# KiCad board AMC_FMC_Carrier-PcbDoc.kicad_pcb (continued)
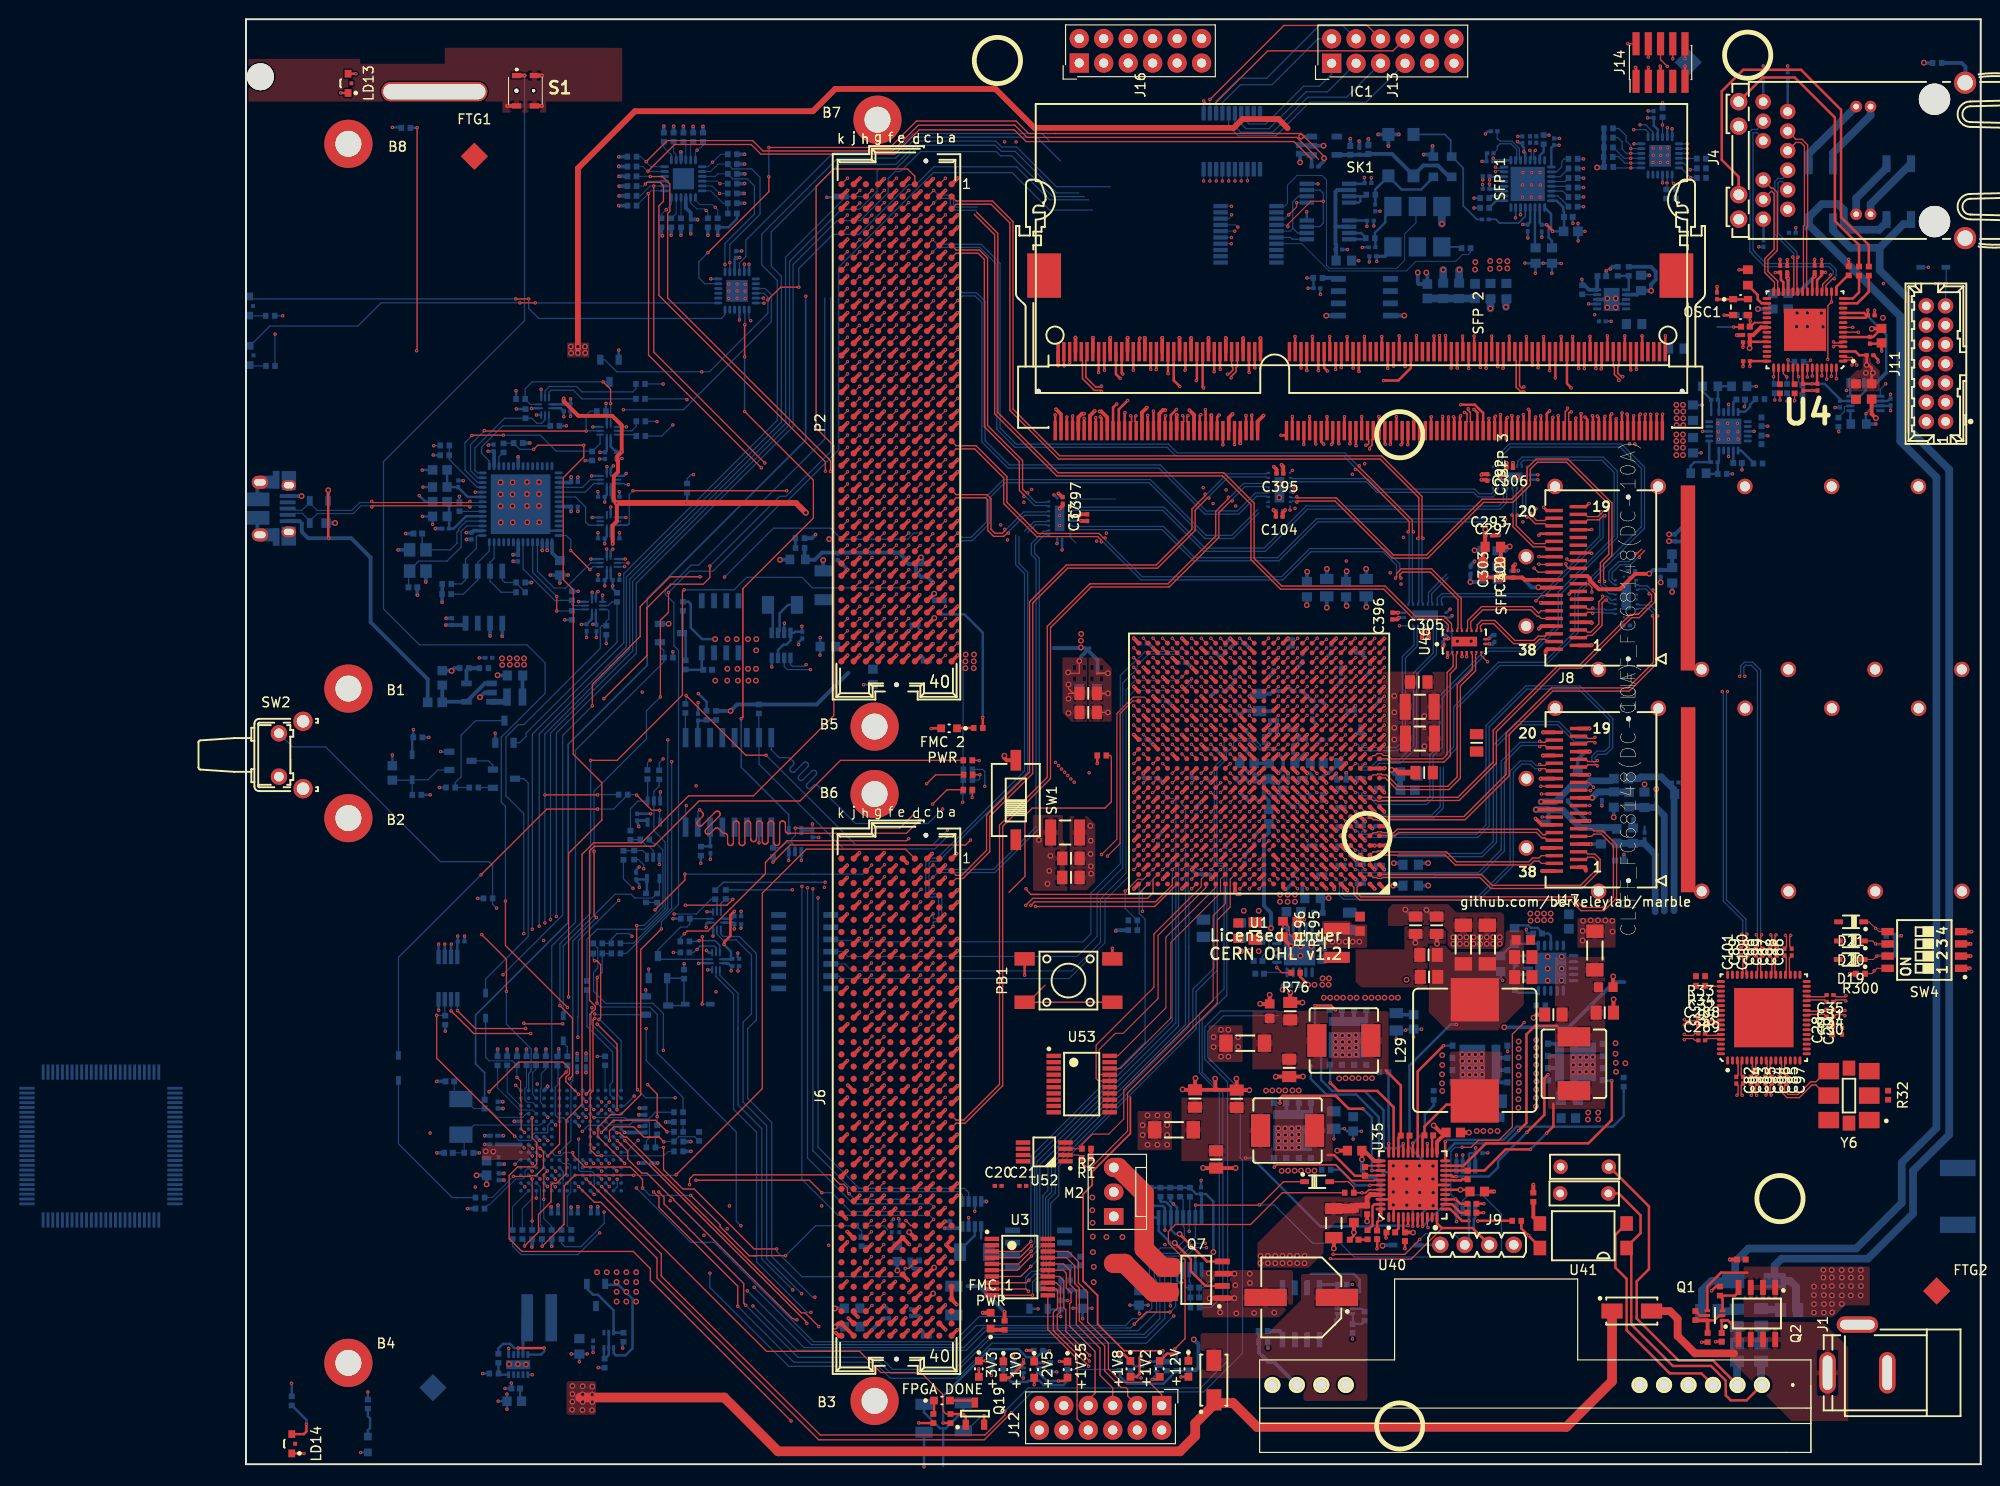
[diagram p0: board, top side]
## Routing (per net, layer and track width the routed paths; a pad name or vN(x,y) marks a point on that pad's centre or on a via; arc(x,y) is an arc through that point) (continued)
  Top w0.381: U1.M7 v1(112.12,70.73) ; U1.K3 v1(116.12,68.73) ; U1.K4 v1(115.12,68.73) ; U1.M4 v1(115.12,70.73) ; U1.L5 v1(114.12,69.73) ; U1.M9 v1(110.12,70.73) ; U1.P13 v1(106.12,73.73) ; U1.L16 v1(102.12,69.73) ; U1.L12 v1(107.12,69.73) ; U1.V15 v1(103.12,77.73) ; U1.M15 v1(103.12,70.73) ; U1.AE14 v1(104.12,84.73) ; U1.AE24 v1(94.12,84.73) ; U1.U12 v1(107.12,76.73) ; U1.R24 v1(94.12,74.73) ; U1.AD17 v1(101.12,83.73) ; U1.AA16 v1(102.12,80.73) ; U1.T15 v1(103.12,75.73) ; U1.AB23 v1(95.12,81.73) ; U1.AA26 v1(92.12,80.73) ; U1.U18 v1(100.12,76.73) ; U1.P15 v1(103.12,73.73) ; U1.P17 v1(101.12,73.73) ; U1.U14 v1(104.12,76.73) ; U1.L10 v1(109.12,69.73) ; U1.K11 v1(108.12,68.73) ; U1.L14 v1(104.12,69.73) ; U1.AC20 v1(98.12,82.73) ; U1.Y19 v1(99.12,79.73) ; U1.T13 v1(106.12,75.73) ; U1.R14 v1(104.12,74.73) ; U1.N14 v1(104.12,71.73) ; U1.K7 v1(112.12,68.73) ; U1.K9 v1(110.12,68.73) ; U1.K13 v1(105.12,68.73) ; U1.J12 v1(107.12,67.73) ; U1.T1 v1(118.12,75.73) ; U1.J2 v1(117.12,67.73) ; U1.U10 v1(109.12,76.73) ; U1.B4 v1(115.12,60.73) ; U1.G8 v1(111.12,65.73) ; U1.E7 v1(112.12,63.73) ; U1.Y9 v1(110.12,79.73) ; U1.F4 v1(115.12,64.73) ; U1.W12 v1(107.12,78.73) ; U1.A7 v1(112.12,59.73) ; U1.D4 v1(115.12,62.73) ; U1.D7 v1(112.12,62.73) ; U1.B7 v1(112.12,60.73) ; U1.C7 v1(112.12,61.73) ; U1.C5 v1(114.12,61.73) ; U1.C1 v1(118.12,61.73) ; U1.U8 v1(111.12,76.73) ; U1.J1 v1(118.12,67.73) ; U1.AC10 v1(109.12,82.73) ; U1.G5 v1(114.12,65.73) ; U1.R10 v1(109.12,74.73) ; U1.W2 v1(117.12,78.73) ; U1.N7 v1(112.12,71.73) ; U1.AD7 v1(112.12,83.73) ; U1.AF11 v1(108.12,85.73) ; U1.E5 v1(114.12,63.73) ; U1.F7 v1(112.12,64.73) ; U1.F3 v1(116.12,64.73) ; U1.H7 v1(112.12,66.73) ; U1.T4 v1(115.12,75.73) ; U1.R2 v1(117.12,74.73) ; U1.V5 v1(114.12,77.73) ; U1.P9 v1(110.12,73.73) ; U1.AF1 v1(118.12,85.73) ; U1.R8 v1(111.12,74.73) ; U1.R5 v1(114.12,74.73) ; U1.AA6 v1(113.12,80.73) ; U1.F11 v1(108.12,64.73) ; U1.H4 v1(115.12,66.73) ; U1.AB13 v1(106.12,81.73) ; U1.J5 v1(114.12,67.73) ; U1.AB3 v1(116.12,81.73) ; U1.T9 v1(110.12,75.73) ; U1.T11 v1(108.12,75.73) ; U1.N10 v1(109.12,71.73) ; U1.L1 v1(118.12,69.73) ; U1.P3 v1(116.12,73.73) ; U1.P4 v1(115.12,73.73) ; U1.R1 v1(118.12,74.73) ; U1.T3 v1(116.12,75.73) ; U1.C10 v1(109.12,61.73) ; U1.E8 v1(111.12,63.73) ; U1.A1 v1(118.12,59.73) ; U1.A2 v1(117.12,59.73) ; U1.K19 v1(99.12,68.73) ; U1.E24 v1(94.12,63.73) ; U1.E14 v1(104.12,63.73) ; U1.J22 v1(96.12,67.73) ; U1.A26 v1(92.12,59.73) ; U1.B13 v1(105.12,60.73) ; U1.M23 v1(95.12,70.73) ; U1.H15 v1(103.12,66.73) ; U1.D17 v1(101.12,62.73) ; U1.L26 v1(92.12,69.73) ; J6.A29 v1(73.81,27.91) ; 71.94,29.82 v1(72.54,30.42) ; 73.19,32.36 v1(73.78,32.96) ; 71.97,34.93 v1(72.56,35.53) ; 73.24,37.42 v1(73.84,38.01) ; 71.94,39.98 v1(72.54,40.58) ; 73.24,42.55 v1(73.84,43.15) ; 71.92,45.09 v1(72.51,45.69) ; 73.24,57.76 v1(73.84,58.36) ; 63.08,57.79 v1(63.67,58.39) ; 61.78,60.3 v1(62.38,60.9) ; 71.97,60.33 v1(72.56,60.93) ; J6.A28 v1(73.81,29.18) ; 71.94,31.09 v1(72.54,31.69) ; 73.19,33.63 v1(73.78,34.23) ; 71.97,36.2 v1(72.56,36.8) ; 73.24,38.69 v1(73.84,39.28) ; 71.94,41.25 v1(72.54,41.85) ; 73.24,43.82 v1(73.84,44.42) ; 71.92,46.36 v1(72.51,46.96) ; 73.24,59.03 v1(73.84,59.63) ; 63.08,59.06 v1(63.67,59.66) ; 61.78,61.57 v1(62.38,62.17) ; 71.97,61.6 v1(72.56,62.2) ; J17.13 139.38,71.57 v1(139.39,71.58) ; J6.F15 66.89,45.09 v1(67.46,45.66) ; v1(64.94,57.12) 64.35,56.52 J6.H6 ; P2.E17 v1(68.77,113.19) ; J6.H12 64.35,48.9 v1(64.94,49.5) ; C104.2 106.86,98.8 v1(106.61,99.05) ; v1(71.29,27.91) 70.7,27.31 J6.C29 ; v1(70.03,40.61) 69.43,40.01 J6.D19 ; J6.D25 69.43,32.39 v1(70.03,32.99) ; C272.2 123.58,55.01 v2(123.58,54.02) ; SK1.37 94.77,109.05 95.14,109.43 v1(95.39,109.43) ; J6.C1 v1(71.19,63.39) ; v1(71.29,54.58) 70.7,53.98 J6.C8 ; v1(71.29,53.31) 70.7,52.71 J6.C9 ; J6.F33 J6.E32 68.14,23.5 v1(68.83,22.81) ; P2.E5 v1(68.77,128.43) ; J6.G8 65.62,53.98 v1(66.22,54.58) ; v1(64.94,123.28) 64.37,122.71 P2.H9 ; J6.B31 72.07,24.77 v1(72.51,25.21) ; v1(66.22,63.47) 65.62,62.87 J6.G1 ; v1(70.03,48.23) 69.43,47.63 J6.D13 ; v1(86.94,109.06) 86.75,109.06 86.37,108.68 SK1.9 ; v1(71.29,19.02) 70.7,18.42 J6.C36 ; P2.K2 v1(62.42,132.24) ; SK1.44 96.87,116.92 v1(96.86,116.93) ; SK1.55 100.17,108.9 v1(100.16,108.91) ; v1(96.58,108.93) 96.57,108.92 SK1.43 ; P2.B11 v1(72.58,120.81) ; P2.C4 70.72,129.06 v1(71.29,129.63) ; SK1.20 89.67,116.93 v1(89.68,116.94) ; P2.K27 v1(62.42,100.49) ; U1.A5 114.27,59.58 v1(114.28,59.58) ; P2.H15 64.37,115.09 v1(64.94,115.66) ; v1(139.65,85.03) 139.62,85 J8.1 ; v1(64.94,100.42) 64.37,99.85 P2.H27 ; v1(67.43,34.28) 66.86,33.71 J6.F24 ; v1(118.24,64.24) 118.23,64.23 U1.E1 ; v1(70.03,60.93) 69.43,60.33 J6.D3 ; J8.35 134.42,87 v1(134.15,86.73) ; P2.F9 v1(67.5,123.35) ; v1(71.29,13.94) 70.7,13.34 J6.C40 ; SK1.48 98.07,116.91 v1(98.07,116.91) ; J6.D2 69.43,61.6 v1(70.03,62.2) ; J6.A12 v1(73.81,49.5) ; P2.G29 65.64,97.31 v1(66.22,97.88) ; P2.K18 v1(62.42,111.92) ; P2.F18 v1(67.5,111.92) ; v1(66.09,83.91) 65.59,83.42 P2.G40 ; P2.A25 v1(73.85,103.03) ; v1(64.94,22.83) 64.35,22.23 J6.H33 ; v1(70.03,85.18) 69.45,84.61 P2.D39 ; J6.K15 61.81,45.09 v1(62.43,45.71) ; v1(73.85,114.48) 73.21,113.84 P2.A16 ; J6.K21 v1(62.41,38.09) ; v1(71.29,43.15) 70.7,42.55 J6.C17 ; P2.C36 70.72,88.42 v1(71.29,88.99) ; J6.G23 65.62,34.93 v1(66.22,35.53) ; v1(70.03,52.04) 69.43,51.44 J6.D10 ; P2.B2 v1(72.58,132.24) ; v1(64.94,45.69) 64.35,45.09 J6.H15 ; v1(71.29,44.42) 70.7,43.82 J6.C16 ; v1(70.03,114.39) 69.45,113.82 P2.D16 ; v1(71.29,34.26) 70.7,33.66 J6.C24 ; J6.K24 v1(62.38,34.26) ; P2.D2 69.45,131.6 v1(70.03,132.17) ; P2.C33 70.72,92.23 v1(71.29,92.8) ; P2.H33 64.37,92.23 v1(64.94,92.8) ; J6.G26 65.62,31.12 v1(66.22,31.72) ; SK1.19 89.37,108.68 88.76,109.29 v1(88.57,109.29) ; P2.B31 v1(72.58,95.41) ; v1(66.22,46.96) 65.62,46.36 J6.G14 ; v1(71.29,86.45) 70.72,85.88 P2.C38 ; P2.E1 v1(68.77,133.51) ; J6.G11 65.62,50.17 v1(66.22,50.77) ; P2.A12 v1(73.85,119.54) ; J6.J23 v1(63.65,35.53) ; J6.A13 73.21,47.65 v1(73.78,48.23) ; U1.G18 v1(100.12,65.73) ; J6.B30 v1(72.54,26.64) ; J6.E29 68.13,27.33 v1(68.68,27.88) ; P2.B38 v1(72.58,86.52) ; J6.E8 68.16,53.98 v1(68.75,54.58) ; v1(70.03,87.72) 69.45,87.15 P2.D37 ; P2.A32 v1(73.85,94.14) ; v1(93.12,77.74) 93.12,77.73 U1.V25 ; P2.B27 v1(72.58,100.49) ; J6.H36 64.35,18.42 v1(64.94,19.02) ; v1(66.22,27.91) 65.62,27.31 J6.G29 ; J6.E11 v1(68.7,50.74) ; v1(105.13,70.73) 105.13,70.74 U1.M13 ; v1(115.13,84.73) 115.12,84.73 U1.AE4 ; J6.J40 J6.K39 61.45,14.61 v2(61.11,14.27) ; P2.H6 64.37,126.52 v1(64.94,127.09) ; P2.A24 v1(73.85,104.3) ; v1(71.29,118.2) 70.72,117.63 P2.C13 ; v1(66.22,90.26) 65.64,89.69 P2.G35 ; J6.H21 64.35,37.47 v1(64.94,38.07) ; U1.AF21 97.12,85.73 v1(97.12,85.73) ; P2.B15 v1(72.58,115.73) ; C396.2 119.54,88.4 v1(119.56,88.38) ; v1(84.06,109.51) 84.57,109 SK1.3 ; P2.G5 65.64,127.79 v1(66.22,128.36) ; J6.F27 v1(67.43,30.42) ; v1(70.03,118.2) 69.45,117.63 P2.D13 ; J6.E20 68.18,38.74 v1(68.7,39.26) ; J6.C32 70.7,23.5 v1(71.29,24.1) ; P2.B26 v1(72.58,101.76) ; P2.E4 v1(68.77,129.7) ; v1(98.12,71.73) 98.12,71.73 U1.N20 ; P2.E23 v1(68.77,105.57) ; P2.B34 v1(72.58,91.6) ; J8.4 139.58,87.4 v1(139.65,87.33) ; P2.J35 v1(63.69,90.33) ; J6.B34 71.94,20.98 v1(72.54,21.58) ; SK1.71 104.97,108.25 v1(105.59,108.87) ; v1(105.25,116.89) 105.27,116.88 SK1.72 ; P2.B23 v1(72.58,105.57) ; P2.J26 v1(63.69,101.76) ; J6.H39 64.35,14.61 v1(64.94,15.21) ; P2.J17 v1(63.69,113.19) ; 86.07,116.95 v1(86.07,116.95) SK1.8 ; v1(70.03,20.29) 69.43,19.69 J6.D35 ; P2.C8 70.72,123.98 v1(71.29,124.55) ; P2.K33 v1(62.42,92.87) ; v1(71.29,123.28) 70.72,122.71 P2.C9 ; J6.G4 65.62,59.06 v1(66.22,59.66) ; v1(66.22,113.12) 65.64,112.55 P2.G17 ; v1(70.03,125.82) 69.45,125.25 P2.D7 ; v1(62.41,23.06) 61.78,22.44 J6.K33 ; P2.K30 v1(62.42,96.68) ; P2.A40 v1(73.85,83.98) ; P2.H30 v1(64.96,96.68) ; J6.H24 64.35,33.66 v1(64.94,34.26) ; v1(64.94,85.18) 64.37,84.61 P2.H39 ; J6.B10 v1(72.51,52.01) ; J6.K9 61.78,52.73 v1(62.35,53.31) ; v1(71.29,21.57) 71.29,21.57 J6.C34 ; v1(88.06,109.34) 87.57,108.85 SK1.13 ; P2.J4 v1(63.69,129.7) ; v1(66.22,39.34) 65.62,38.74 J6.G20 ; J6.F18 v1(67.46,41.88) ; v1(63.62,54.58) 63.05,54 J6.J8 ; v1(71.29,58.39) 70.7,57.79 J6.C5 ; J6.F12 v1(67.46,49.5) ; J6.F6 v1(67.46,57.12) ; P2.D10 69.45,121.44 v1(70.03,122.01) ; v1(103.12,59.17) 102.87,59.17 102.62,59.42 U1.A16 ; P2.B7 v1(72.58,125.89) ; P2.G38 65.64,85.88 v1(66.22,86.45) ; J6.D37 69.43,17.15 v1(70.03,17.75) ; P2.E40 v1(68.77,83.98) ; J6.C21 70.7,37.47 v1(71.29,38.07) ; P2.A13 v1(73.85,118.27) ; J6.D16 69.43,43.82 v1(70.03,44.42) ; v1(63.73,20.37) 63.05,19.7 J6.J35 ; J6.K36 v1(62.35,18.99) ; P2.E8 v1(68.77,124.62) ; P2.C17 70.72,112.55 v1(71.29,113.12) ; v1(96.12,78.73) 96.12,78.73 U1.W22 ; P2.G11 65.64,120.17 v1(66.22,120.74) ; SK1.14 87.87,116.93 v1(87.88,116.94) ; J6.J11 v1(63.67,50.79) ; P2.D25 v1(70.04,103.03) ; J6.F36 66.86,18.44 v1(67.38,18.96) ; J6.J20 v1(62.46,39.34) ; v1(70.03,106.77) 69.45,106.2 P2.D22 ; v1(70.03,15.21) 69.43,14.61 J6.D39 ; P2.C16 70.72,113.82 v1(71.29,114.39) ; J6.E35 v1(68.73,19.09) ; P2.B22 v1(72.58,106.84) ; P2.B19 v1(72.58,110.65) ; v1(66.22,109.31) 65.64,108.74 P2.G20 ; v1(93.47,109.68) 92.97,109.18 SK1.31 ; P2.F21 v1(67.5,108.11) ; J6.E26 v1(68.75,31.74) ; P2.J32 v1(63.69,94.14) ; SK1.49 98.37,108.93 v1(97.89,109.41) ; J6.A33 73.19,22.23 v1(72.64,22.77) 73.21,23.35 J6.A32 ; U1.H25 93.14,66.75 v1(93.14,66.73) ; v1(64.94,111.85) 64.37,111.28 P2.H18 ; J6.E38 68.13,16.01 v1(68.56,16.44) ; v1(133.8,67.02) 134.45,66.37 J17.32 ; J6.C25 70.7,32.39 v1(71.29,32.99) ; SK1.61 101.97,108.63 v1(102.36,109.02) ; P2.J1 v1(63.69,133.51) ; C278.2 121.34,55.03 v2(121.34,54.13) ; v1(64.94,60.93) 64.35,60.33 J6.H3 ; P2.C25 v1(71.31,103.03) ; C292.2 128.68,102.2 v1(128.19,102.2) ; P2.K36 v1(62.42,89.06) ; J6.G32 65.62,23.5 v1(66.22,24.1) ; P2.C1 70.72,132.87 v1(71.29,133.44) ; J6.B7 v1(72.54,55.85) ; v1(68.6,35.42) 68.13,34.95 J6.E23 ; v1(66.22,94.07) 65.64,93.5 P2.G32 ; v1(67.48,15.21) 66.89,14.61 J6.F39 ; v1(63.73,31.77) 63.08,31.12 J6.J26 ; J6.J32 63.03,23.5 v1(62.38,24.15) ; P2.F3 v1(67.5,130.97) ; J6.C4 70.7,59.06 v1(71.29,59.66) ; J6.E5 v1(68.68,58.33) ; J6.J17 v1(63.67,43.17) ; v1(130.79,103.97) 130.79,103.45 C306.2 ; C37.2 86.63,98.61 v1(86.41,98.39) ; P2.F30 v1(67.5,96.68) ; SK1.2 84.27,114.07 v1(84.27,114.06) ; J6.J14 63.08,46.36 v1(63.65,46.93) ; J6.A1 v1(73.73,63.39) ; J6.H9 64.35,52.71 v1(64.94,53.31) ; P2.F36 v1(67.5,89.06) ; P2.J23 v1(63.69,105.57) ; P2.G14 65.64,116.36 v1(66.22,116.93) ; P2.C29 70.72,97.31 v1(71.29,97.88) ; P2.H36 64.37,88.42 v1(64.94,88.99) ; v1(71.29,22.83) 70.7,22.23 J6.C33 ; J6.C38 v1(71.14,16.35) ; J6.B35 v1(72.59,20.34) ; P2.C21 70.72,107.47 v1(71.29,108.04) ; v1(69.9,90.26) 69.4,89.77 P2.D35 ; P2.H3 64.37,130.33 v1(64.94,130.9) ; P2.C32 70.72,93.5 v1(71.29,94.07) ; v1(70.03,99.15) 69.45,98.58 P2.D28 ; J6.J29 63.08,27.31 v1(63.67,27.91) ; J6.D7 69.43,55.25 v1(70.03,55.85) ; J6.F2 v1(67.46,62.2) ; P2.F6 v1(67.5,127.16) ; v1(101.66,116.91) 101.67,116.9 SK1.60 ; v1(84.43,99.2) 84.74,99.52 C397.2 ; J6.E17 v1(68.7,43.12) ; v1(66.22,129.63) 65.64,129.06 P2.G4 ; J6.K18 v1(62.41,41.9) ; SK1.65 103.17,105.99 v1(103.17,105.98) ; P2.J38 v1(63.69,86.52) ; P2.E32 v1(68.77,94.14) ; SK1.26 91.47,116.92 v1(91.49,116.94) ; v1(64.94,30.45) 64.35,29.85 J6.H27 ; P2.C12 70.72,118.9 v1(71.29,119.47) ; v1(64.94,108.04) 64.37,107.47 P2.H21 ; v1(66.22,133.44) 65.64,132.87 P2.G1 ; v1(134.85,84.13) 134.85,84.43 135.02,84.6 J8.38 ; J6.A8 v1(73.81,54.58) ; U1.F21 97.12,64.73 v1(97.12,64.73) ; J6.F3 v1(67.46,60.93) ; J6.G38 65.62,15.88 v1(66.22,16.48) ; J6.K30 61.78,25.99 v1(62.3,25.47) ; J6.G35 65.62,19.69 v1(66.22,20.29) ; J6.D22 69.43,36.2 v1(70.03,36.8) ; P2.E26 v1(68.77,101.76) ; P2.A33 v1(73.85,92.87) ; U1.G1 118.42,66.23 v1(118.46,66.19) ; P2.A8 v1(73.85,124.62) ; J6.A40 73.21,13.36 v1(73.81,13.96) ; J6.K6 v1(62.38,57.12) ; P2.B35 v1(72.58,90.33) ; J8.32 134.38,89.4 v1(134.35,89.43) ; P2.B10 v1(72.58,122.08) ; P2.A17 v1(73.85,113.19) ; J6.J38 63.05,15.73 v1(63.5,15.28) ; P2.J14 v1(63.69,117) ; P2.H24 64.37,103.66 v1(64.94,104.23) ; P2.D6 69.45,126.52 v1(70.03,127.09) ; P2.K15 v1(62.42,115.73) ; v1(62.33,30.45) 61.78,29.9 J6.K27 ; J6.G17 66.09,43.04 v1(66.09,43.15) ; v1(66.22,124.55) 65.64,123.98 P2.G8 ; P2.E29 v1(68.77,97.95) ; J6.C13 70.7,47.63 v1(71.29,48.23) ; v1(70.03,57.12) 69.43,56.52 J6.D6 ; P2.G23 v1(66.23,105.57) ; v1(68.6,62.41) 68.59,62.41 J6.E1 ; P2.E35 v1(68.77,90.33) ; J6.H18 64.35,41.28 v1(64.94,41.88) ; v1(112.93,59.68) 112.93,59.92 U1.A6 ; v1(73.73,16.58) 73.21,17.1 J6.A37 J6.A36 ; v1(103.48,116.89) 103.47,116.89 SK1.66 ; P2.D19 69.45,110.01 v1(70.03,110.58) ; P2.F2 v1(67.5,132.24) ; P2.F12 v1(67.5,119.54) ; U1.T21 97.12,75.73 v1(97.12,75.73) ; P2.J20 v1(63.69,109.38) ; P2.F39 v1(67.5,85.25) ; v1(71.29,109.31) 70.72,108.74 P2.C20 ; v1(99.87,116.91) 99.87,116.9 SK1.54 ; P2.B30 v1(72.58,96.68) ; P2.B3 v1(72.58,130.97) ; v1(98.12,61.73) 98.12,61.73 U1.C20 ; v1(72.56,16.53) 71.94,15.9 J6.B38 ; v1(67.43,53.31) 66.86,52.73 J6.F9 ; P2.A5 v1(73.85,128.43) ; P2.G26 65.64,101.12 v1(66.22,101.69) ; P2.F27 v1(67.5,100.49) ; v1(71.29,104.23) 70.72,103.66 P2.C24 ; P2.A4 v1(73.85,129.7) ; R196.2 107.6,54.61 v2(108.43,53.77) ; v1(106.65,103.55) 106.94,103.26 C395.2 ; P2.A37 v1(73.85,87.79) ; P2.C40 70.72,83.34 v1(71.29,83.91) ; P2.K24 v1(62.42,104.3) ; P2.A28 v1(73.85,99.22) ; v1(66.22,58.39) 65.62,57.79 J6.G5 ; P2.F33 v1(67.5,92.87) ; P2.B18 v1(72.58,111.92) ; P2.B14 v1(72.58,117) ; P2.K9 v1(62.42,123.35) ; P2.K6 v1(62.42,127.16) ; v1(139.65,89.83) 139.62,89.8 J8.7 ; v1(114.16,72.79) 114.16,72.77 U1.N5 ; v1(70.03,29.18) 69.43,28.58 J6.D28 ; P2.E14 v1(68.77,117) ; R300.2 v1(166.42,50.92) ; J6.E4 v1(68.7,59.63) ; P2.J11 v1(63.69,120.81) ; SK1.38 95.07,116.93 v1(95.07,116.93) ; P2.A36 v1(73.85,89.06) ; J6.G40 65.62,13.34 v1(66.09,13.81) ; v1(64.94,26.64) 64.35,26.04 J6.H30 ; J6.B39 v1(72.59,13.96) ; P2.E11 v1(68.77,120.81) ; J6.E40 v1(68.7,13.91) ; P2.A1 v1(73.85,133.51) ; P2.A20 v1(73.85,109.38) ; v1(71.29,99.15) 70.72,98.58 P2.C28 ; v1(71.29,49.5) 70.7,48.9 J6.C12 ; v1(117.12,64.22) 117.11,64.23 U1.E2 ; v1(93.27,116.93) 93.27,116.93 SK1.32 ; v1(70.03,130.9) 69.45,130.33 P2.D3 ; v1(64.94,119.47) 64.37,118.9 P2.H12 ; P2.B6 v1(72.58,127.16) ; v1(67.41,26.57) 66.88,26.04 J6.F30 ; J6.C28 70.7,28.58 v1(71.29,29.18) ; P2.E38 v1(68.77,86.52) ; P2.J8 v1(63.69,124.62) ; v1(122.6,86.43) 122.72,86.31 C305.2 ; U1.N2 U1.N1 118.14,72.23 v1(118.17,72.26) ; P2.A21 v1(73.85,108.11) ; J6.B6 v1(72.51,57.09) ; P2.K12 v1(62.42,119.54) ; P2.C5 70.72,127.79 v1(71.29,128.36) ; J6.B11 v1(72.56,50.79) ; v1(71.29,39.34) 70.7,38.74 J6.C20 ; J6.A9 v1(73.81,53.31) ; J6.E14 v1(68.65,46.88) ; P2.J5 v1(63.69,128.43) ; v1(95.12,60.74) 95.13,60.74 U1.B23 ; P2.A29 v1(73.85,97.95) ; J6.F21 v1(67.43,38.04) ; P2.K39 v1(62.42,85.25) ; P2.E20 v1(68.77,109.38) ; P2.F15 v1(67.5,115.73) ; J6.K12 v1(62.38,49.5) ; P2.K21 v1(62.42,108.11) ; P2.F24 v1(67.5,104.3) ; J6.J1 v1(63.65,63.47) ; P2.K3 v1(62.42,130.97) ; P2.J40 v1(63.69,83.98) ; P2.J29 v1(63.69,97.95) ; P2.A9 v1(73.85,123.35)
  Top w0.4: v1(139.4,76.38) 139.4,76.37 J17.19 ; v1(134.59,75.98) 134.6,75.97 J17.20 ; J17.26 134.34,71.17 v1(134.33,71.17) ; v1(139.4,66.78) 139.4,66.77 J17.7 ; J17.35 134.49,63.97 134.49,63.97 ; 139.02,61.61 139.02,61.75 138.79,61.97 J17.1 ; J17.4 139.52,64.37 v1(139.53,64.36) ; 134.49,61.57 134.49,61.57 J17.38 ; J17.16 139.42,73.97 v1(139.43,73.98) ; J17.23 134.58,73.57 v1(134.58,73.57) ; v2(169.12,108.59) 168.68,109.04 C42.1 ; C293.2 v1(130,96.42) ; v2(100.56,40.02) 100.58,40 100.58,38.86 ; C348.2 141.84,50.62 v2(141.87,50.64) ; v1(27.1,141.01) 27.1,141.01 S1.3 ; C127.2 129.51,28.31 v1(129.51,28.31) ; v2(109.67,40.25) 109.66,40.24 C194.2 106.87,40.24 v2(106.85,40.22) ; C346.2 102.79,40 v2(102.77,40.02) ; C346.2 104.1,38.84 v2(104.11,38.83) ; C346.2 102.77,38.86 100.58,38.86 ; v2(97.18,38.9) 97.22,38.86 C152.2 ; C137.2 v2(116.33,25.21) ; v2(131.13,95.27) 131.09,95.23 C297.2 130.21,95.2 C303.2 ; C152.2 98.47,40.02 v2(98.52,40.07) ; C152.2 100.58,38.86 ; v1(131.7,93.41) 131.51,93.23 C300.2 ; v2(99.31,30.75) 99.32,30.74 C160.2 102.68,30.74 v2(102.69,30.75) ; v2(133.6,46.35) 133.93,46.68 C330.2 ; S1.2 30.71,144.16 v1(30.71,144.16) ; v2(109.62,47.92) 109.61,47.93 C154.2 v2(108.35,48.96) ; 123.32,75.32 123.32,74.77 122.94,74.77 ; C144.2 v2(113.23,32.55) ; C361.2 v2(126.89,34.43) ; v2(106.22,48.73) C347.2 105.24,47.78 v2(105.23,47.79) ; SW1.2 78.93,73.08 78.69,73.32 v2(78.69,73.55) ; v2(112.87,22.39) C141.2 ; 169.77,116.47 C57.2 ; v1(153.96,21.25) 153.97,21.25 C131.2 ; LD1.1 v1(76.45,15.73) ; S1.4 30.71,141.01 v1(30.71,141.01) ; 155.34,117.2 v1(154.7,117.2) ; v2(141.91,48.25) 141.89,48.24 C156.2 ; v1(133.58,29.02) R281.2 ; C105.2 v2(114.96,24.07)
  Top w0.5: 102.59,17.22 102.57,17.24 Q7.1 100.03,17.24 ; 102.59,19.76 102.57,19.78 Q7.3
  In2.Cu w0.127: v1(79.91,137.28) 80.26,136.92 91.11,136.92 91.95,137.76 ; 92.02,137.38 91.18,136.54 79.45,136.54 v1(78.71,137.28)
  Bottom w0.127: v1(174.56,124.25) 174.56,124.25 D15.2 ; R243.1 74.76,3.47 76.33,5.05 v1(76.59,5.05) ; C193.2 175.29,122.55 v1(175.29,122.55) ; U45.5 108.7,101.4 v1(108.72,101.37) ; U45.11 v1(106.61,99.05)
  Bottom w0.13: v1(74.37,68.72) 74.38,68.74 R285.2 74.38,70.98 R284.2
  Bottom w0.178: v1(153.38,119.29) 153.4,119.26 C375.2
  Bottom w0.254: v1(36.52,90.59) 36.3,90.37 U24.2 ; 36.36,86.5 v1(36.36,85.82) ; C178.2 v1(35.34,85.82) ; U16.8 110.07,130.01 v1(110.06,130.02) ; C112.2 117.01,128.55 v1(117.02,128.54) ; v1(111.23,132.91) 111.22,132.92 U19.8 ; C108.2 115.85,126.33 v1(115.83,126.31) ; C117.2 116.76,133.54 v1(116.77,133.55) ; C400.2 145.12,66.18 ; U31.4 142.16,120.45 U31.11 ; v1(141.66,118.65) 141.65,118.64 C25.2 ; C110.2 111.47,121.45 v1(111.48,121.45) ; C106.2 115.45,124.95 v1(115.47,124.93) ; v1(38.12,103.64) 37.85,103.36 37.85,102.91 U38.2 ; C356.2 38.75,96.68 v1(38.76,96.69) ; v1(132.69,124.69) 132.72,124.67 C120.2 ; C121.2 135.51,123.64 v1(135.5,123.63) ; C121.2 136.44,124.67 v1(136.46,124.64) ; C121.2 134.61,124.67 v1(134.6,124.68) 134.58,124.67 C120.2 ; v1(26.87,7.86) C130.2 27.54,8.42 v1(27.53,8.42) ; v1(38.06,95) 37.84,94.78 U25.2 ; R189.2 130.2,50.42 v1(130.4,50.22) ; C168.2 v1(18.36,101.44) ; v1(36.52,96.69) 36.53,96.68 C355.2 ; C182.2 36.69,104.35 v1(36.69,104.35) ; C77.1 155.22,103.23 v1(155.22,103.22) ; v1(93.57,9.63) 93.55,9.65 92.88,9.65 ; v1(37,90.21) 37,90.21 U24.3 ; U25.3 39.34,93.96 v1(39.34,93.97) ; C213.2 51.38,57.39 v1(51.38,57.39) ; U28.4 19.98,47.14 v1(19.99,47.13) ; C129.2 27.09,5.72 v1(27.07,5.71) ; C129.2 v1(26.16,6.54) ; C129.2 27.09,7.27 v1(27.07,7.28) ; C123.2 137.66,128.83 v1(137.68,128.81) ; v1(55.86,87.3) 55.85,87.29 U32.3 ; v1(138.8,131.55) 138.79,131.54 R99.1 ; U18.6 27.26,12.02 v1(27.25,12.03) ; R120.1 v1(22.15,100.49) ; C60.2 160.8,128.36 v1(160.8,128.36) ; R100.1 v1(138.8,130.55) ; C115.2 116.57,124.81 v1(116.56,124.81) ; v1(41.48,49.24) 41.51,49.21 Q5.2 ; C59.2 159.97,145.15 v1(159.97,145.16) ; v1(127.42,131.43) 127.43,131.44 R97.1 ; C190.2 99.1,29.45 v1(99.11,29.47) ; C185.2 39,104.39 v1(39.01,104.4) ; U47.13 v1(151.14,107.22) ; v1(65.96,80.94) 65.95,80.93 C12.1 64.09,80.93 v1(64.08,80.91) ; U44.20 84.18,100.29 v1(83.84,100.63) ; U32.8 54.55,82.78 v1(54.56,82.77) ; v1(157.9,107.76) 157.9,107.77 C70.2 ; C74.2 157.9,106.79 v1(157.92,106.77) ; C175.2 22.53,102.12 v1(22.55,102.1) ; C124.2 128.33,132.84 v1(128.31,132.86) ; v1(41.78,51.4) 41.8,51.38 Q17.2 ; R181.2 114.8,13 v1(114.81,13) ; C352.2 156.98,126.37 v1(156.97,126.38) ; v1(59.43,65.07) 59.43,65.07 C78.2 ; v1(64.94,22.83) 64.75,22.63 R260.2 ; C143.2 133,55.09 132.85,55.24 v1(132.85,55.53) ; C5.2 72.41,90.15 v1(72.58,90.33) ; C139.2 131.56,50.24 131.56,50.91 ; R116.2 19.45,104.74 v1(19.43,104.77) ; v1(46.96,51.98) 46.99,52.01 U9.1 ; C351.2 57.34,85.33 v1(57.34,85.08) 57.35,85.09 ; v1(40.8,62) 40.46,61.66 40.46,61.36 ; v1(127.42,130.41) 127.43,130.42 R96.1 ; v1(136.3,137.64) 136.29,137.63 C210.2 ; v1(47.83,57.34) 47.84,57.33 U8.3 ; v1(36.51,100.97) 36.53,100.95 C184.2 ; v1(144.01,137.07) 144.02,137.07 U34.18 ; v1(39.44,102.85) 39.2,102.6 U38.3 ; C343.2 91.72,16.51 v1(91.72,16.51) ; C343.2 93.61,16.51 v1(93.61,16.51) ; C343.2 92.67,15.66 v1(92.71,15.62) ; U50.11 134.04,102.2 v1(134.05,102.2) ; v1(67.18,25.44) 67.15,25.44 67,25.29 C66.2 ; v1(66.22,86.45) 65.9,86.14 C11.2 ; v1(97.1,18.86) 96.8,18.86 96.61,19.05 U27.13 ; v1(42.9,62.27) 42.9,62.27 U10.3 ; v1(38.73,100.96) 38.75,100.94 C187.2 ; 129.18,138.34 128.85,138.34 v1(128.6,138.09) ; v1(74.98,25.59) 74.98,25.59 U17.3 ; C120.2 133.81,123.65 v1(133.78,123.63) ; C122.2 131.96,137.84 v1(131.96,137.85) ; C342.2 51.41,125.93 v1(51.43,125.95) ; U36.12 131.63,50.84 131.56,50.91 ; v1(25.15,105.78) 25.22,105.85 C164.2 ; v1(33.68,110.59) 33.67,110.59 C186.2 ; v1(170.64,111.07) 170.64,110.67 170.33,110.37 169.61,110.37 ; v1(67.71,25.48) 67.79,25.41 C65.2 ; U9.3 47.99,53.11 47.77,53.33 v1(47.77,53.34) ; v1(134.46,127.37) 134.44,127.39 C126.2 ; v1(51.2,118.79) 51.2,118.79 U39.9 ; v1(164.88,109.69) 165.29,109.69 ; R98.1 v1(138.8,132.53) ; v1(29.72,9.29) 29.71,9.3 U18.1 ; v1(93.81,10.66) 93.82,10.65 94.46,10.65 ; U39.23 51.7,124.57 v1(51.71,124.58) ; Q8.2 82.17,16.14 v1(82.19,16.12) ; R188.2 85.26,17 v1(85.26,17) ; U11.3 56.32,62.69 v1(56.31,62.68) ; v1(35.86,102.59) 35.87,102.6 U38.10 ; U34.9 146.98,133.03 v1(146.98,133.03) ; U27.10 98.51,21.57 v1(98.5,21.58) ; 40.56,67.55 40.59,67.53 v1(41.99,67.53) ; v1(155.47,109.78) 155.55,109.86 C73.2 ; U15.3 39.41,98.28 v1(39.42,98.28) ; U23.41 31.25,96.91 U23.57 ; 131.56,50.91 131.56,51.68 C393.2 ; v1(119.56,88.38) 119.56,88.39 U48.11 ; U48.20 124.57,88.39 v1(124.94,88.76) ; Q9.2 43.72,87.22 43.73,87.21 ; v1(130.79,103.97) 130.85,103.97 130.89,103.92 U50.5 ; C39.2 48.19,62.8 v1(48.18,62.79) ; C360.2 v1(15.19,73.63) ; v1(33.68,108.78) 33.67,108.78 C183.2 ; U11.1 57.62,62.69 v1(57.63,62.68) ; U30.10 v1(53.24,64.51) ; C161.2 v1(121.16,44.34) ; C161.2 120.43,45.16 v1(120.32,45.05) 120.29,45.03 C153.2 v1(119.35,44.14) ; C161.2 121.96,45.16 v1(121.97,45.15) ; U44.5 86.36,98.44 v1(86.41,98.39) ; v1(51.03,53.05) 51.03,52.64 51.2,52.47 ; C72.2 v1(151.06,109.96) ; C191.1 22.67,54.82 v1(22.68,54.83) ; R95.1 138.79,133.52 v1(138.8,133.51) ; v1(19.99,53.99) 19.98,53.98 U28.5 ; v1(114.29,126.1) 114.29,126.1 C90.2 ; C192.1 128.83,32.3 v1(128.85,32.32) ; C116.2 128.34,133.71 v1(128.34,133.33) ; v1(126.26,32.1) 126.25,32.09 U29.6 ; 82.24,10.52 82.77,10.52 v1(82.79,10.54) ; v1(80.65,8.94) 80.66,8.95 80.66,9.52 ; 84.15,95.65 v1(84.15,95.57) 84.18,95.6 U44.11 ; U33.3 30.64,111.57 v1(30.62,111.59) ; U15.2 37.84,99.35 v1(37.86,99.37) ; C344.2 85.82,16.18 v1(85.81,16.2) ; C344.2 87.78,16.18 v1(87.78,16.18) ; C344.2 86.79,15.13 v1(86.81,15.1) ; C166.2 v1(24.2,83.71) ; C125.2 133,127.31 v1(133.01,127.3) ; U47.3 v1(156.48,107.22) ; U39.24 52.2,124.57 v1(52.19,124.58) ; C38.2 46.9,79.05 v1(46.92,79.07) ; R212.2 114.8,18.66 v1(114.81,18.66) ; R171.2 36.56,10.01 v1(36.55,10.02) ; U50.20 128.19,102.2 v1(128.19,102.2) ; C159.2 115.73,34.57 v1(115.75,34.56) ; C159.2 114.23,34.57 v1(113.97,34.84) 113.96,34.83 C151.2 v1(112.87,33.77) ; C159.2 v1(114.88,33.75) ; Q24.2 25.87,75.87 v1(25.85,75.89) ; v1(29.63,109.6) 29.82,109.6 29.84,109.62 U33.1 ; R201.2 44.31,84.33 v1(44.29,84.34) ; C196.2 128.67,135.2 ; C196.2 v1(128.25,135.25) ; C196.2 128.71,136.02 R61.1 ; v1(59.59,85.82) 59.57,85.8 59.57,84 v1(59.56,83.99) ; v1(37.42,95) 37.44,94.98 U25.1 ; U29.4 v1(125.6,25.19) ; v1(150.98,104.99) 150.97,104.98 C76.2 ; 51.15,51.73 51.05,51.63 v1(51.05,51.2) ; U48.5 122.61,86.43 v1(122.6,86.43) ; v1(106.65,103.55) 106.95,103.25 U45.20 ; v1(132.25,129.71) 132.25,129.71 U20.22 ; v1(43,69.79) 42.98,69.77 U7.3 ; U23.10 23.79,100.91 v1(23.78,100.9) ; Q6.2 38.67,115.65 v1(38.68,115.66) ; v1(19.36,97.58) C167.2 v1(18.31,98.39) ; C132.2 35.39,11.43 v1(35.4,11.45) ; C132.2 v1(34.59,10.63) ; C132.2 33.77,11.43 v1(33.75,11.45) ; C215.2 145.52,140.46 v1(145.49,140.5) ; R71.2 v1(154.25,102.81) ; v1(36.54,92.34) 36.53,92.34 C180.2 ; C58.2 v1(157.43,145.16) ; U47.8 v1(153.83,104.61) ; 96.62,20.13 96.62,19.34 ; C212.2 51.38,55.66 v1(51.36,55.64) ; U47.18 v1(153.83,110.03) ; U17.7 75.63,26.27 v1(75.61,26.25) ; v1(117.67,130.08) 117.66,130.07 C109.2 ; U29.5 v1(125.6,32.1) ; v1(68.77,86.52) 69.07,86.81 C8.2 ; v1(20.19,73.98) 20.21,73.97 Q18.2 ; R101.1 v1(138.79,135.5) ; v1(38.76,92.37) 38.75,92.36 38.75,91.79 ; R110.2 v1(24.56,9.41) ; 39.09,12.7 v1(39.09,12.06) ; R69.2 156.7,111.9 v1(156.71,111.89) ; R102.1 v1(138.79,134.51) ; U34.24 147.98,138.64 v1(147.98,138.64) ; C133.2 v1(36.01,11.6) ; U26.3 39.46,107.68 v1(39.47,107.69) ; R272.1 v1(18.97,75.45)
  Bottom w0.381: R138.2 v1(28.11,43.09) ; C202.2 v1(35.28,42.66) ; v1(26.77,29.48) 26.76,29.49 C203.2 ; C197.2 35.79,26.71 v1(35.79,26.71) ; R144.2 v1(31.11,43.09) ; C199.2 v1(26.79,31.16) ; v1(33.73,26.69) 33.73,26.68 C201.2 ; C208.2 v1(34.36,42.64) ; C204.2 40.82,36.97 v1(40.81,36.97) ; C198.2 v1(42.72,31.26) ; R132.2 v1(24.23,32.32) ; C92.2 v1(19.78,39.74) ; C209.2 v1(24.76,34.1) ; 32.45,42.37 v1(32.45,43.12) ; C205.2 26.64,37.63 v1(26.64,37.63) ; C206.2 31.68,26.71 v1(31.67,26.71) ; R137.2 v1(22.98,26.53) ; R142.2 v1(46.15,33.49) ; C207.2 v1(24.76,33.19) ; R147.2 v1(29.11,43.09) ; R146.2 v1(30.1,43.09) ; C93.2 v1(19.81,32.32) ; C219.2 113.97,67.88 v1(114.12,67.73) ; v1(112.12,68.73) 111.97,68.88 C248.2 ; C269.2 108.62,68.23 v1(108.12,68.73) ; C271.2 104.47,74.38 v1(104.12,74.73) ; C261.2 109.62,83.23 v1(109.12,82.73) ; v1(102.12,80.73) 102.62,81.23 C389.2 ; v1(94.12,63.73) U1.E24 C258.2 ; C262.2 93.62,75.23 v1(94.12,74.73) ; C256.2 111.62,75.23 v1(111.12,74.73) ; C387.2 100.62,84.23 v1(101.12,83.73) 101.64,84.25 C388.2 ; C260.2 98.62,68.23 v1(99.12,68.73) ; C231.2 107.27,69.88 v1(107.12,69.73) 107.47,69.38 C277.2 ; v1(117.12,78.73) 117.62,79.23 C338.2 ; v1(116.12,75.73) 115.97,75.88 C391.2 115.27,75.88 v1(115.12,75.73) ; C336.2 113.62,81.23 v1(113.12,80.73) ; C250.2 100.62,74.23 v1(101.12,73.73) ; 109.47,80.23 109.62,80.23 v1(110.12,79.73) 110.62,79.23 110.77,79.23 ; C234.2 117.97,69.88 v1(118.12,69.73) ; v1(94.12,84.73) 93.62,85.23 93.47,85.23 ; C226.2 109.97,75.58 v1(110.12,75.73) ; v1(98.12,82.73) 97.62,83.23 97.47,83.23 ; C333.2 U1.E14 v1(104.12,63.73) 103.62,63.23 C335.2 ; v1(114.12,63.73) 113.97,63.88 C217.2 ; C275.2 104.62,69.23 v1(105.12,68.73) ; C264.2 U1.M7 v1(112.12,71.73) 112.32,71.73 C384.2 v1(114.16,72.79) ; C390.2 v1(103.12,77.73) ; v1(118.12,61.73) 117.97,61.88 C230.2 ; C392.2 108.62,61.23 v1(109.12,61.73) ; C279.2 104.47,76.38 v1(104.12,76.73) ; C221.2 113.97,61.88 v1(114.12,61.73) ; C245.2 94.62,71.23 v1(95.12,70.73) ; v1(111.12,63.73) 110.97,63.88 C339.2 ; v1(109.12,69.73) U1.K9 C267.2 ; C337.2 111.97,60.88 v1(112.12,60.73) ; C332.2 116.62,82.23 v1(116.12,81.73) ; v1(112.12,83.73) 112.62,84.23 C334.2 ; C381.2 113.97,69.88 v1(114.12,69.73) ; C249.2 U1.D17 v1(101.12,62.73) ; C229.2 109.97,70.88 v1(110.12,70.73) ; C4.2 113.97,65.88 v1(114.12,65.73) ; v1(115.12,70.73) 115.27,70.88 C380.2 ; v1(109.12,76.73) 108.97,76.58 C223.2 ; C80.2 111.86,135.3 v2(111.86,135.58) ; 109.37,136.92 110.55,136.92 U13.2 v2(111.81,136.87) ; 137.17,68.91 137.17,68.76 139.16,66.78 v1(139.4,66.78) ; C404.2 v1(140.68,68.35) ; v1(139.43,73.98) 138.99,73.98 138.18,73.16 C408.2 ; C401.2 145.1,70.57 v2(145.12,70.59) ; C407.2 141.93,67.17 v2(141.92,67.16) ; v2(146.34,70.09) 146.32,70.08 146.32,69.43 ; C403.2 143.92,67.03 ; v1(139.53,64.36) 139.55,64.39 C409.2 ; 95.62,61.38 95.62,61.23 95.12,60.74 v1(95.12,60.74) ; v1(18.64,91.58) 18.68,91.62 Y4.2 ; C163.2 20.77,87.82 v1(20.76,87.81) ; R42.2 v1(51.74,130.9) ; C232.2 118.01,66.19 v1(118.46,66.19) ; C291.2 124.48,86.03 124.77,85.73 124.77,85.73 ; v1(96.12,78.73) 95.9,78.96 95.87,78.96 95.6,79.23 C247.2 ; C40.1 v1(46.15,127.73) ; R44.2 v1(45.13,127.57) ; v1(19.66,97.13) 19.67,97.12 C174.2 ; 98.77,71.23 98.16,71.23 98.12,71.27 v1(98.12,71.73) ; v1(40.79,35.07) 41.28,35.07 41.33,35.12 ; v1(109.12,74.73) 108.78,74.73 C227.2 ; U37.21 108.67,52.76 U37.12 ; C165.2 v1(16.56,96.61) ; v1(110.12,73.73) 110.12,73.73 109.82,73.73 108.9,72.81 C385.2 108.83,72.02 v1(109.12,71.73) ; v1(28.23,104.57) 28.25,104.56 U23.21 ; R43.2 v1(44.12,127.57) ; C173.2 33.42,92.31 v1(33.42,92.31) ; C173.2 v1(31.58,92.31) ; C173.2 v1(32.56,91.47) ; C406.2 135.13,66.72 134.11,66.72 v1(133.8,67.02) ; C382.2 142.97,62.68 v1(142.97,63.3) ; v1(34.43,102.45) 34.43,102.45 C176.2 ; v1(128.98,85.72) 129.33,86.07 C23.2 ; R297.2 171.14,53.87 R298.2 171.14,53.89 R299.2 v1(171.76,54.86) ; U5.9 45.14,136.21 v1(45.11,136.24) ; C170.2 27.73,93.72 v1(27.72,93.73) ; 121.65,62.4 v2(122.66,62.4) ; v1(26.58,85.94) 26.59,85.96 U21.5 ; U23.45 30.75,94.86 v1(30.74,94.86) ; v1(34.43,98.91) 34.43,98.92 C177.2 ; C169.2 22.89,96.01 v1(22.87,95.99) ; Y4.4 15.79,94.92 v1(15.78,94.92) ; v1(103.12,73.73) 103.11,73.72 L28.1 103.11,72.74 v1(104.12,71.73) ; v1(17.79,90.21) 17.77,90.23 C171.2 ; C225.2 122.65,60.06 v2(122.67,60.07) ; v1(98.12,61.73) 98.62,61.23 C251.2 ; R127.2 v1(29.46,106.01)
  Bottom w0.4: v2(9.24,97.7) 9.24,97.7 D13.1 ; J10.5 5.76,100.5 v2(5.76,100.5) ; J10.6 1.18,101.66 J10.6 ; J10.6 1.18,96.74 J10.6 ; v1(90.24,55.35) 90.33,55.44 R222.2 ; 116.26,91.89 116.26,92.92 ; v1(145.62,123.41) 145.61,123.43 C22.2 ; U31.8 U31.11 ; C24.2 141.13,123.88 v1(141.14,123.88) ; C301.2 131.99,92.73 v1(132.03,92.77) ; 121.31,54.1 121.34,54.1 121.35,54.12 C268.2 ; v1(71.29,83.91) 70.93,83.55 C7.2 ; v2(146.79,91.53) 146.79,91.54 C299.2 ; v1(103.12,70.73) 102.78,71.08 C273.2 ; v2(110.12,92.64) 110.08,92.61 C282.2 ; 86.64,83.84 87.53,84.72 ; v1(114.12,77.73) 114.33,77.94 C18.2 ; 173.89,142.03 173.89,142.03 176.09,142.03 ; C286.2 112.14,92.94 v2(112.15,92.95) ; v1(76.83,27.27) 76.83,27.27 U17.8 ; C67.2 66.74,15.95 v1(66.22,16.48) ; C220.2 105.97,75.58 v1(106.12,75.73) 106.28,75.89 C3.2 ; v2(114.21,92.69) 114.15,92.63 C280.2 ; v1(72.51,25.21) 72.52,25.21 C136.2 ; v1(115.12,62.73) 115.27,62.58 C238.2 ; C61.2 68.94,20.65 69.31,20.29 v1(70.03,20.29) ; C302.2 147.99,90.57 v2(147.98,90.55) ; v2(112.35,58.77) C1.2 111.73,58.51 C383.2 ; 83.8,84.72 87.12,84.72 88.37,83.48 88.37,82.11 ; C14.2 115.13,84.33 v1(115.13,84.73) ; v2(61.11,14.27) 61.12,14.28 62.11,14.28 ; v1(71.29,94.07) 70.88,93.66 C10.2 ; C6.2 v2(59.89,93.86) ; v2(131.13,95.27) 130.68,94.82 C304.2 129.81,94.87 ; v2(61.11,16.17) 61.12,16.18 C68.1 ; v1(115.12,60.73) 115.27,60.58 C236.2 ; U22.2 24.76,80.1 v2(24.28,79.62) ; C294.2 127.07,93.32 v1(127.48,93.73) 127.48,93.74 ; C63.2 70.95,13.59 v1(71.29,13.94) ; C17.2 108.24,85.61 v1(108.12,85.73) ; C216.2 106.98,76.87 v1(107.12,76.73) ; C16.2 101.62,80.23 v1(102.12,80.73) ; R30.2 141.78,124.3 v1(141.55,124.07) ; C47.1 160.44,119.52 v2(160.94,119.52) ; v1(107.12,78.73) 106.56,78.17 C255.2 104.38,78.17 104.35,78.21 103.6,78.21 v1(103.12,77.73) ; C162.2 21.32,82.38 v2(21.33,82.36) 21.61,82.64 R119.2 ; v1(115.12,66.73) 115.27,66.58 C228.2 ; v1(111.12,76.73) 110.61,77.24 C19.2 ; C15.2 103.62,85.23 v1(104.12,84.73) ; v1(62.42,92.87) 61.43,93.85 C9.2 ; v2(127.48,94.87) 127.48,94.87 C296.2 ; C142.2 107.63,49.75 107.57,49.69 v2(107.57,49.27) ; v2(147.67,96.53) 147.67,96.53 C295.2 149.14,97.39 C298.2 ; C172.2 26.13,81.88 v2(26.11,81.91) ; R165.1 174.13,145.47 v2(174.1,145.49) ; C257.2 106.63,82.24 v1(106.12,81.73) ; C64.2 69.85,15.38 v1(70.03,15.21) ; 123.55,53.99 123.54,54.01 C270.2 ; v1(59.1,96.51) 58.72,96.13 R258.2 ; R198.2 106.03,12.07 v1(106.04,12.06) ; 105.11,70.73 105.11,70.76 104.97,70.89 C218.2
  Bottom w0.402: C91.2 115.52,137.33 v1(115.5,137.36) ; C81.2 v1(114.58,137.61) ; C107.2 v1(116.46,137.58) ; v1(122.2,135.96) 122.21,135.96 123.11,135.96 123.11,136.84 v1(123.12,136.85) ; v1(117.48,138.04) 117.48,138.05 Y2.2 ; Y2.2 118.54,136.84 v1(118.54,136.84) ; Y2.2 119.61,138.05 v1(119.61,138.04)
  Bottom w0.454: 120.17,119.24 118.93,119.24 ; v2(112.09,119.23) 112.1,119.24 U14.5
  Bottom w0.802: C118.2 v2(129.13,119.97) ; Y3.3 124.08,128.77 ; C113.2 125.88,123.96 v2(125.91,123.99) ; C119.2 130.74,120.93 v2(130.74,120.13) ; C111.2 v2(124.23,123.99)
  vias: v1(50.09,122.52) v1(50.09,121.78) v1(50.09,121.02) v1(50.95,122.49) v1(50.95,121.81) v1(50.95,121.05) v1(51.8,122.49) v1(51.8,121.78) v1(51.8,121) v1(78.31,97.51) v1(79.02,95.95) v1(80.72,99.85) v1(81.53,101.18) v1(84.43,98.47) v1(84.43,97.45) v1(88.26,95.82) v1(89.28,96.65) v1(99.32,101.37) v1(100.35,99.72) v1(101.7,101.15) v1(102.69,99.47) v1(108.85,99.23) v1(114.79,102.76) v1(116.08,103.86) v1(118.73,92.54) v1(119.85,91.37) v1(120.1,96.22) v1(122.25,76.39) v1(130.69,98.09) v1(132.49,134.11) v1(132.44,132.8) v1(132.45,131.53) v1(132.5,97.83) v1(133.39,132.8) v1(133.36,131.53) v1(133.42,134.11) v1(133.86,99.18) v1(134.27,134.11) v1(134.28,131.53) v1(134.31,132.8) v1(139.94,119.33) v1(145.99,135.14) v1(146.02,136.63) v1(146.02,135.87) v1(146.78,136.63) v1(146.78,135.87) v1(146.76,135.14) v1(147.52,136.66) v1(147.52,135.9) v1(147.52,135.14) v1(152.74,108.05) v1(152.77,107.17) v1(152.8,106.4) v1(153.75,108.05) v1(153.79,107.17) v1(153.82,106.4) v1(154.76,108.05) v1(154.79,107.17) v1(154.82,106.4) v2(26.41,101.92) v2(26.41,100.68) v2(26.41,99.46) v2(26.44,97.76) v2(27.3,10.39) v2(27.66,101.92) v2(27.66,100.68) v2(27.66,99.46) v2(27.68,97.76) v2(28.22,10.39) v2(29.05,10.36) v2(29.16,101.95) v2(29.16,100.7) v2(29.16,99.48) v2(29.18,97.78) v2(30.4,101.95) v2(30.4,100.7) v2(30.4,99.48) v2(30.43,97.78) v2(43.85,87.24) v2(82.28,64.8) v2(83.16,60.25) v2(83.34,61.6) v2(83.47,63.15) v2(85.34,79.47) v2(85.34,77.97) v2(86.64,84.78) v2(99.9,19.83) v2(99.98,17.21) v2(101.08,15.76) v2(102.56,19.78) v2(102.55,17.24) v2(102.65,18.58) v2(102.75,15.66) v2(103.24,53.25) v2(104.1,53.25) v2(104.15,19.78) v2(104.18,18.81) v2(104.61,15.69) v2(105.08,53.26) v2(106.69,15.74) v2(107.21,101.77) v2(107.21,100.35) v2(107.46,30.45) v2(108.12,30.47) v2(108.41,52.78) v2(108.81,30.47) v2(109.45,53.77) v2(109.42,52.78) v2(109.47,30.47) v2(110.21,30.47) v2(110.54,53.77) v2(110.52,52.78) v2(110.87,30.47) v2(113.43,40.05) v2(114.09,40.07) v2(114.78,40.07) v2(115.44,40.07) v2(116.18,40.07) v2(116.23,92.95) v2(116.84,40.07) v2(119.05,30.98) v2(119.05,29.63) v2(119.05,28.26) v2(119.05,26.91) v2(120.19,119.24) v2(120.44,30.95) v2(120.44,29.61) v2(120.44,28.24) v2(120.44,26.89) v2(121.76,30.98) v2(121.76,29.63) v2(121.79,28.21) v2(121.79,26.86) v2(122.25,77.66) v2(122.28,74.53) v2(123.16,30.95) v2(123.16,29.61) v2(123.19,28.18) v2(123.19,26.84) v2(124.1,128.76) v2(124.13,42.46) v2(124.13,41.44) v2(124.1,40.48) v2(124.1,39.54) v2(124.13,38.75) v2(125.7,85.44) v2(127.12,85.44) v2(127.71,34.59) v2(128.39,34.59) v2(129.13,34.59) v2(129.87,34.59) v2(130.45,102.48) v2(131.87,102.48) v2(135.07,52.69) v2(135.07,51.44) v2(135.07,50.2) v2(136.49,50.23) v2(136.52,52.69) v2(136.52,51.44) v2(139.27,36.52) v2(139.24,35.78) v2(140.31,36.52) v2(140.31,35.8) v2(141.27,121.01) v2(141.25,120.09) v2(142.14,121.02) v2(142.13,120.07) v2(142.11,43.7) v2(142.11,42.61) v2(142.14,41.67) v2(142.16,40.73) v2(143.13,41.62) v2(160.89,118.09) v2(162.01,119.52) v2(162.01,118.09) v2(163.46,119.49) v2(163.64,118.07)
